# KiCad board rabbit_mask_capacitors.kicad_pcb (continued)
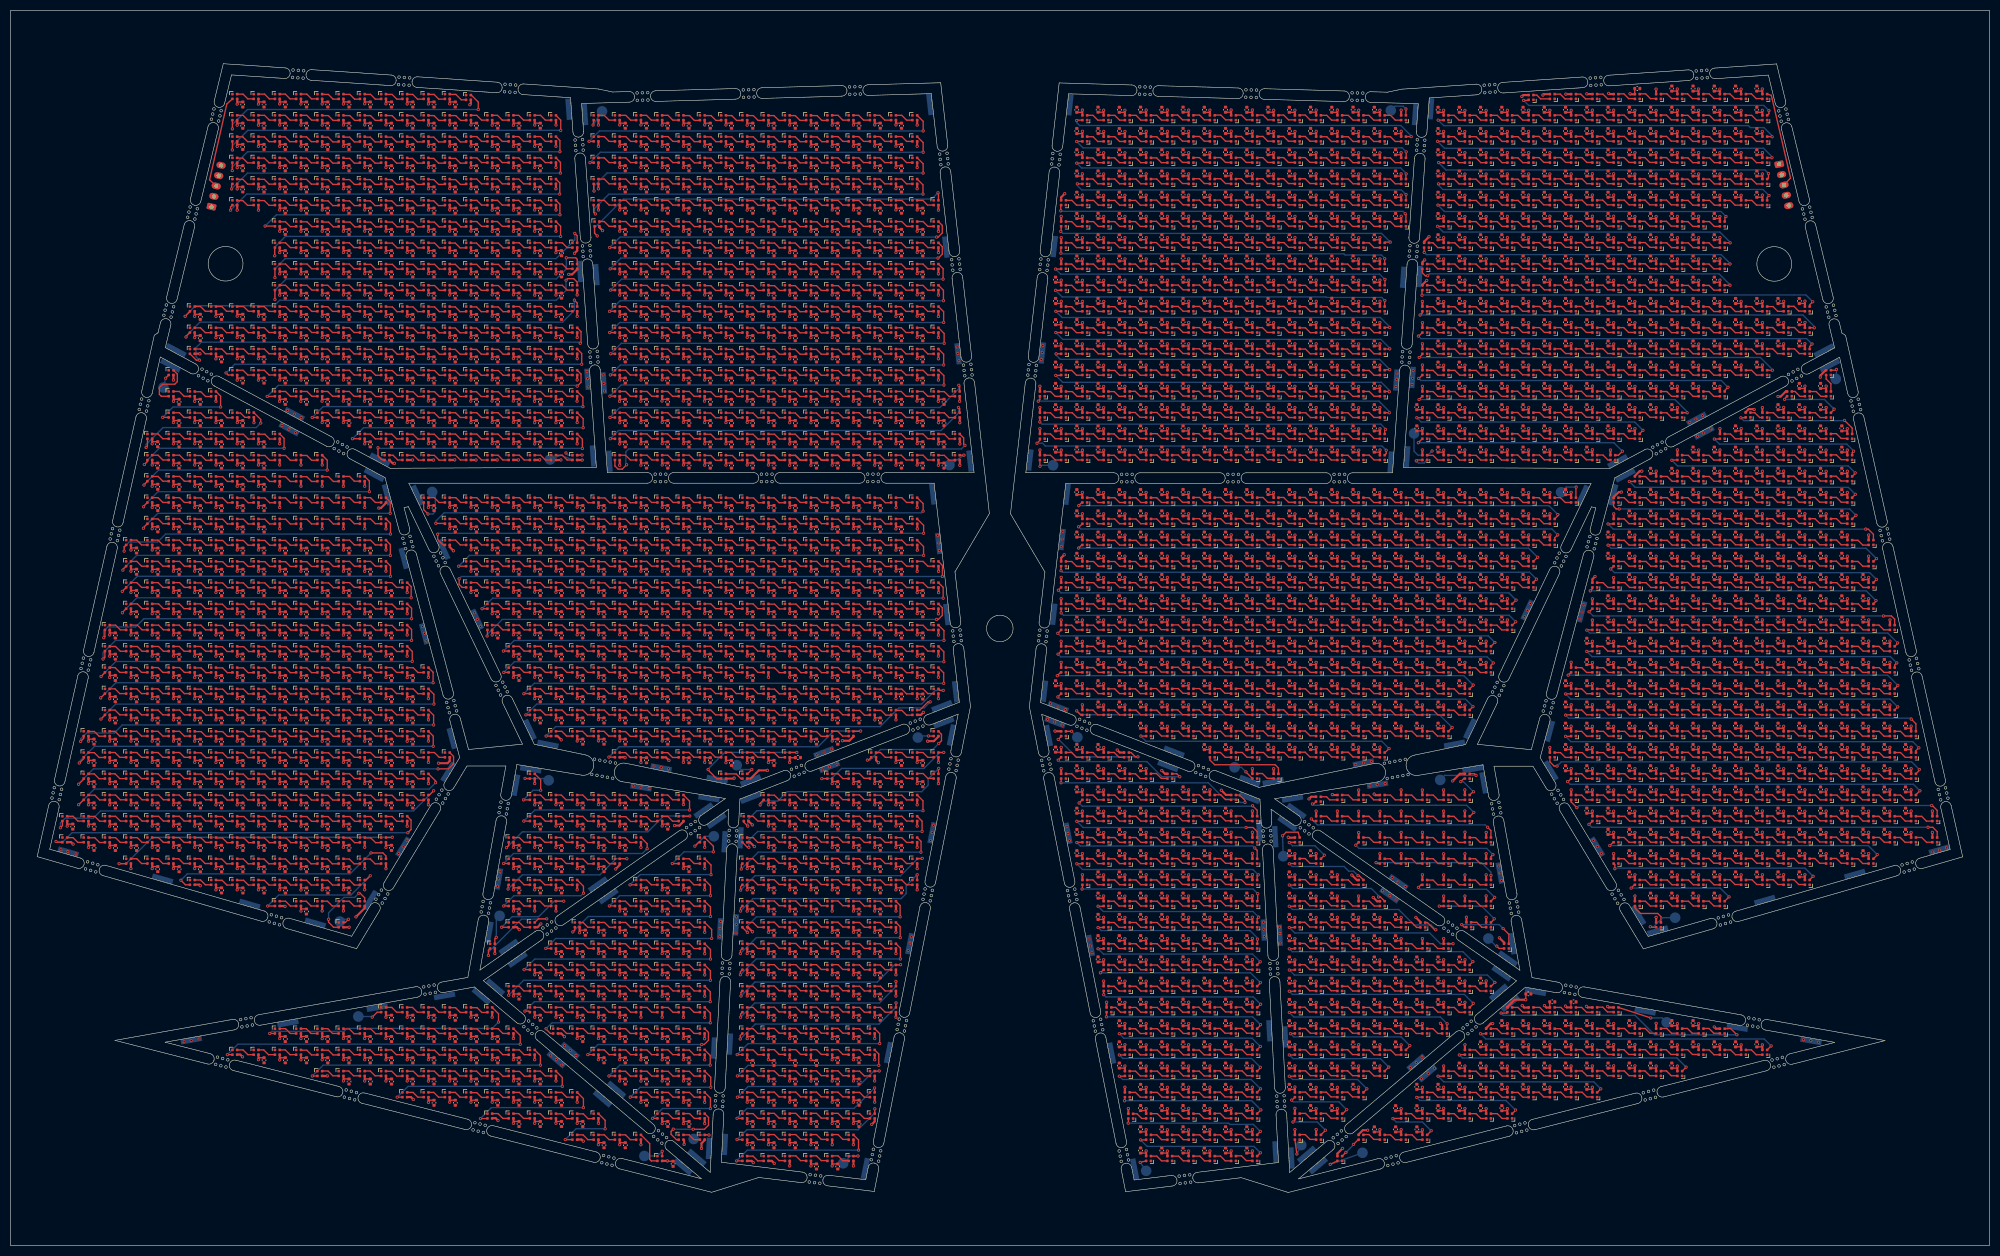
[diagram p0: board, top side]
## Nets (continued)
/1_IN: D1.1 J1485.3
/1_OUT: D1659.3 TP1500.1
/2_IN: D29.1 TP1501.1
/2_OUT: D582.3 TP1502.1
/3_IN: D408.1 TP1504.1
/3_OUT: D1258.3 TP1514.1
/4_IN: D606.1 TP1503.1
/4_OUT: D1074.3 TP1505.1
/5_IN: D1072.1 TP1510.1
/5_OUT: D1276.3 TP1511.1
/6_IN: D1328.1 TP1513.1
/6_OUT: D1478.3 TP1512.1
/7_IN: D1171.1 TP1509.1
/7_OUT: D1471.3 TP1508.1
/8_IN: D1023.1 TP1506.1
/8_OUT: D1484.3 TP1507.1
/right_side/9_IN: D1496.1 J1486.3
/right_side/9_OUT: D1625.3 TP1486.1
/right_side/10_IN: D1512.1 TP1493.1
/right_side/10_OUT: D2031.3 TP1485.1
/right_side/11_IN: D1925.1 TP1494.1
/right_side/11_OUT: D2759.3 TP1492.1
/right_side/12_IN: D2101.1 TP1495.1
/right_side/12_OUT: D2545.3 TP1487.1
/right_side/13_IN: D2547.1 TP1496.1
/right_side/13_OUT: D2776.3 TP1491.1
/right_side/14_IN: D2834.1 TP1499.1
/right_side/14_OUT: D2968.3 TP1490.1
/right_side/15_IN: D2641.1 TP1498.1
/right_side/15_OUT: D2956.3 TP1489.1
/right_side/16_IN: D2475.1 TP1497.1
/right_side/16_OUT: D2962.3 TP1488.1
Net-(D1-DOUT): D1.3 D2.1
Net-(D2-DOUT): D2.3 D3.1
Net-(D3-DOUT): D3.3 D4.1
Net-(D4-DOUT): D4.3 D5.1
Net-(D5-DOUT): D5.3 D6.1
Net-(D6-DOUT): D6.3 D7.1
Net-(D7-DOUT): D7.3 D8.1
Net-(D8-DOUT): D8.3 D9.1
Net-(D10-DIN): D9.3 D10.1
Net-(D10-DOUT): D10.3 D11.1
Net-(D11-DOUT): D11.3 D12.1
Net-(D12-DOUT): D12.3 D13.1
Net-(D13-DOUT): D13.3 D14.1
Net-(D14-DOUT): D14.3 D15.1
Net-(D15-DOUT): D15.3 D16.1
Net-(D16-DOUT): D16.3 D17.1
Net-(D17-DOUT): D17.3 D18.1
Net-(D18-DOUT): D18.3 D19.1
Net-(D19-DOUT): D19.3 D20.1
Net-(D20-DOUT): D20.3 D21.1
Net-(D21-DOUT): D21.3 D22.1
Net-(D22-DOUT): D22.3 D23.1
Net-(D23-DOUT): D23.3 D24.1
Net-(D24-DOUT): D24.3 D25.1
Net-(D25-DOUT): D25.3 D26.1
Net-(D26-DOUT): D26.3 D27.1
Net-(D27-DOUT): D27.3 D28.1
Net-(D28-DOUT): D28.3 D45.1
Net-(D29-DOUT): D29.3 D30.1
Net-(D30-DOUT): D30.3 D31.1
Net-(D31-DOUT): D31.3 D32.1
Net-(D32-DOUT): D32.3 D33.1
Net-(D33-DOUT): D33.3 D34.1
Net-(D34-DOUT): D34.3 D35.1
Net-(D35-DOUT): D35.3 D36.1
Net-(D36-DOUT): D36.3 D37.1
Net-(D37-DOUT): D37.3 D38.1
Net-(D38-DOUT): D38.3 D39.1
Net-(D39-DOUT): D39.3 D40.1
Net-(D40-DOUT): D40.3 D41.1
Net-(D41-DOUT): D41.3 D42.1
Net-(D42-DOUT): D42.3 D43.1
Net-(D43-DOUT): D43.3 D44.1
Net-(D44-DOUT): D44.3 D61.1
Net-(D45-DOUT): D45.3 D46.1
Net-(D46-DOUT): D46.3 D47.1
Net-(D47-DOUT): D47.3 D48.1
Net-(D48-DOUT): D48.3 D49.1
Net-(D49-DOUT): D49.3 D50.1
Net-(D50-DOUT): D50.3 D51.1
Net-(D51-DOUT): D51.3 D52.1
Net-(D52-DOUT): D52.3 D53.1
Net-(D53-DOUT): D53.3 D54.1
Net-(D54-DOUT): D54.3 D55.1
Net-(D55-DOUT): D55.3 D56.1
Net-(D56-DOUT): D56.3 D57.1
Net-(D57-DOUT): D57.3 D58.1
Net-(D58-DOUT): D58.3 D59.1
Net-(D59-DOUT): D59.3 D60.1
Net-(D60-DOUT): D60.3 D77.1
Net-(D61-DOUT): D61.3 D62.1
Net-(D62-DOUT): D62.3 D63.1
Net-(D63-DOUT): D63.3 D64.1
Net-(D64-DOUT): D64.3 D65.1
Net-(D65-DOUT): D65.3 D66.1
Net-(D66-DOUT): D66.3 D67.1
Net-(D67-DOUT): D67.3 D68.1
Net-(D68-DOUT): D68.3 D69.1
Net-(D69-DOUT): D69.3 D70.1
Net-(D70-DOUT): D70.3 D71.1
Net-(D71-DOUT): D71.3 D72.1
Net-(D72-DOUT): D72.3 D73.1
Net-(D73-DOUT): D73.3 D74.1
Net-(D74-DOUT): D74.3 D75.1
Net-(D75-DOUT): D75.3 D76.1
Net-(D76-DOUT): D76.3 D93.1
Net-(D77-DOUT): D77.3 D78.1
Net-(D78-DOUT): D78.3 D79.1
Net-(D79-DOUT): D79.3 D80.1
Net-(D80-DOUT): D80.3 D81.1
Net-(D81-DOUT): D81.3 D82.1
Net-(D82-DOUT): D82.3 D83.1
Net-(D83-DOUT): D83.3 D84.1
Net-(D84-DOUT): D84.3 D85.1
Net-(D85-DOUT): D85.3 D86.1
Net-(D86-DOUT): D86.3 D87.1
Net-(D87-DOUT): D87.3 D88.1
Net-(D88-DOUT): D88.3 D89.1
Net-(D89-DOUT): D89.3 D90.1
Net-(D90-DOUT): D90.3 D91.1
Net-(D91-DOUT): D91.3 D92.1
Net-(D93-DOUT): D93.3 D94.1
Net-(D94-DOUT): D94.3 D95.1
Net-(D95-DOUT): D95.3 D96.1
Net-(D96-DOUT): D96.3 D97.1
Net-(D97-DOUT): D97.3 D98.1
Net-(D98-DOUT): D98.3 D99.1
Net-(D100-DIN): D99.3 D100.1
Net-(D100-DOUT): D100.3 D101.1
Net-(D101-DOUT): D101.3 D102.1
Net-(D102-DOUT): D102.3 D103.1
Net-(D103-DOUT): D103.3 D104.1
Net-(D104-DOUT): D104.3 D105.1
Net-(D105-DOUT): D105.3 D106.1
Net-(D106-DOUT): D106.3 D107.1
Net-(D107-DOUT): D107.3 D108.1
Net-(D108-DOUT): D108.3 D126.1
Net-(D110-DIN): D92.3 D110.1
Net-(D110-DOUT): D110.3 D111.1
Net-(D111-DOUT): D111.3 D112.1
Net-(D112-DOUT): D112.3 D113.1
Net-(D113-DOUT): D113.3 D114.1
Net-(D114-DOUT): D114.3 D115.1
Net-(D115-DOUT): D115.3 D116.1
Net-(D116-DOUT): D116.3 D117.1
Net-(D117-DOUT): D117.3 D118.1
Net-(D118-DOUT): D118.3 D119.1
Net-(D119-DOUT): D119.3 D120.1
Net-(D120-DOUT): D120.3 D121.1
Net-(D121-DOUT): D121.3 D122.1
Net-(D122-DOUT): D122.3 D123.1
Net-(D123-DOUT): D123.3 D124.1
Net-(D124-DOUT): D124.3 D125.1
Net-(D125-DOUT): D125.3 D143.1
Net-(D126-DOUT): D126.3 D127.1
Net-(D127-DOUT): D127.3 D128.1
Net-(D128-DOUT): D128.3 D129.1
Net-(D129-DOUT): D129.3 D130.1
Net-(D130-DOUT): D130.3 D131.1
Net-(D131-DOUT): D131.3 D132.1
Net-(D132-DOUT): D132.3 D133.1
Net-(D133-DOUT): D133.3 D134.1
Net-(D134-DOUT): D134.3 D135.1
Net-(D135-DOUT): D135.3 D136.1
Net-(D136-DOUT): D136.3 D137.1
Net-(D137-DOUT): D137.3 D138.1
Net-(D138-DOUT): D138.3 D139.1
Net-(D139-DOUT): D139.3 D140.1
Net-(D140-DOUT): D140.3 D141.1
Net-(D141-DOUT): D141.3 D159.1
Net-(D143-DOUT): D143.3 D144.1
Net-(D144-DOUT): D144.3 D145.1
Net-(D145-DOUT): D145.3 D146.1
Net-(D146-DOUT): D146.3 D147.1
Net-(D147-DOUT): D147.3 D148.1
Net-(D148-DOUT): D148.3 D149.1
Net-(D149-DOUT): D149.3 D150.1
Net-(D150-DOUT): D150.3 D151.1
Net-(D151-DOUT): D151.3 D152.1
Net-(D152-DOUT): D152.3 D153.1
Net-(D153-DOUT): D153.3 D154.1
Net-(D154-DOUT): D154.3 D155.1
Net-(D155-DOUT): D155.3 D156.1
Net-(D156-DOUT): D156.3 D157.1
Net-(D157-DOUT): D157.3 D158.1
Net-(D158-DOUT): D158.3 D179.1
Net-(D159-DOUT): D159.3 D160.1
Net-(D160-DOUT): D160.3 D161.1
Net-(D161-DOUT): D161.3 D162.1
Net-(D162-DOUT): D162.3 D163.1
Net-(D163-DOUT): D163.3 D164.1
Net-(D164-DOUT): D164.3 D165.1
Net-(D165-DOUT): D165.3 D166.1
Net-(D166-DOUT): D166.3 D167.1
Net-(D167-DOUT): D167.3 D168.1
Net-(D168-DOUT): D168.3 D169.1
Net-(D169-DOUT): D169.3 D170.1
Net-(D170-DOUT): D170.3 D171.1
Net-(D171-DOUT): D171.3 D172.1
Net-(D172-DOUT): D172.3 D173.1
Net-(D173-DOUT): D173.3 D174.1
Net-(D174-DOUT): D174.3 D175.1
Net-(D175-DOUT): D175.3 D193.1
Net-(D179-DOUT): D179.3 D180.1
Net-(D180-DOUT): D180.3 D181.1
Net-(D181-DOUT): D181.3 D182.1
Net-(D182-DOUT): D182.3 D183.1
Net-(D183-DOUT): D183.3 D184.1
Net-(D184-DOUT): D184.3 D185.1
Net-(D185-DOUT): D185.3 D186.1
Net-(D186-DOUT): D186.3 D187.1
Net-(D187-DOUT): D187.3 D188.1
Net-(D188-DOUT): D188.3 D189.1
Net-(D189-DOUT): D189.3 D190.1
Net-(D190-DOUT): D190.3 D191.1
Net-(D191-DOUT): D191.3 D192.1
Net-(D192-DOUT): D192.3 D210.1
Net-(D193-DOUT): D193.3 D194.1
Net-(D194-DOUT): D194.3 D195.1
Net-(D195-DOUT): D195.3 D196.1
Net-(D196-DOUT): D196.3 D197.1
Net-(D197-DOUT): D197.3 D198.1
Net-(D198-DOUT): D198.3 D199.1
Net-(D199-DOUT): D199.3 D200.1
Net-(D200-DOUT): D200.3 D201.1
Net-(D201-DOUT): D201.3 D202.1
Net-(D202-DOUT): D202.3 D203.1
Net-(D203-DOUT): D203.3 D204.1
Net-(D204-DOUT): D204.3 D205.1
Net-(D205-DOUT): D205.3 D206.1
Net-(D206-DOUT): D206.3 D207.1
Net-(D207-DOUT): D207.3 D208.1
Net-(D208-DOUT): D208.3 D209.1
Net-(D209-DOUT): D209.3 D225.1
Net-(D210-DOUT): D210.3 D211.1
Net-(D211-DOUT): D211.3 D212.1
Net-(D212-DOUT): D212.3 D213.1
Net-(D213-DOUT): D213.3 D214.1
Net-(D214-DOUT): D214.3 D215.1
Net-(D215-DOUT): D215.3 D216.1
Net-(D216-DOUT): D216.3 D217.1
Net-(D217-DOUT): D217.3 D218.1
Net-(D218-DOUT): D218.3 D219.1
Net-(D219-DOUT): D219.3 D220.1
Net-(D220-DOUT): D220.3 D221.1
Net-(D221-DOUT): D221.3 D222.1
Net-(D222-DOUT): D222.3 D223.1
Net-(D223-DOUT): D223.3 D224.1
Net-(D224-DOUT): D224.3 D241.1
Net-(D225-DOUT): D225.3 D226.1
Net-(D226-DOUT): D226.3 D227.1
Net-(D227-DOUT): D227.3 D228.1
Net-(D228-DOUT): D228.3 D229.1
Net-(D229-DOUT): D229.3 D230.1
Net-(D230-DOUT): D230.3 D231.1
Net-(D231-DOUT): D231.3 D232.1
Net-(D232-DOUT): D232.3 D233.1
Net-(D233-DOUT): D233.3 D234.1
Net-(D234-DOUT): D234.3 D235.1
Net-(D235-DOUT): D235.3 D236.1
Net-(D236-DOUT): D236.3 D237.1
Net-(D237-DOUT): D237.3 D238.1
Net-(D238-DOUT): D238.3 D239.1
Net-(D239-DOUT): D239.3 D240.1
Net-(D240-DOUT): D240.3 D256.1
Net-(D241-DOUT): D241.3 D242.1
Net-(D242-DOUT): D242.3 D243.1
Net-(D243-DOUT): D243.3 D244.1
Net-(D244-DOUT): D244.3 D245.1
Net-(D245-DOUT): D245.3 D246.1
Net-(D246-DOUT): D246.3 D247.1
Net-(D247-DOUT): D247.3 D248.1
Net-(D248-DOUT): D248.3 D249.1
Net-(D249-DOUT): D249.3 D250.1
Net-(D250-DOUT): D250.3 D251.1
Net-(D251-DOUT): D251.3 D252.1
Net-(D252-DOUT): D252.3 D253.1
Net-(D253-DOUT): D253.3 D254.1
Net-(D254-DOUT): D254.3 D255.1
Net-(D255-DOUT): D255.3 D272.1
Net-(D256-DOUT): D256.3 D257.1
Net-(D257-DOUT): D257.3 D258.1
Net-(D258-DOUT): D258.3 D259.1
Net-(D259-DOUT): D259.3 D260.1
Net-(D260-DOUT): D260.3 D261.1
Net-(D261-DOUT): D261.3 D262.1
Net-(D262-DOUT): D262.3 D263.1
Net-(D263-DOUT): D263.3 D264.1
Net-(D264-DOUT): D264.3 D265.1
Net-(D265-DOUT): D265.3 D266.1
Net-(D266-DOUT): D266.3 D267.1
Net-(D267-DOUT): D267.3 D268.1
Net-(D268-DOUT): D268.3 D269.1
Net-(D269-DOUT): D269.3 D270.1
Net-(D270-DOUT): D270.3 D271.1
Net-(D271-DOUT): D271.3 D287.1
Net-(D272-DOUT): D272.3 D273.1
Net-(D273-DOUT): D273.3 D274.1
Net-(D274-DOUT): D274.3 D275.1
Net-(D275-DOUT): D275.3 D276.1
Net-(D276-DOUT): D276.3 D277.1
Net-(D277-DOUT): D277.3 D278.1
Net-(D278-DOUT): D278.3 D279.1
Net-(D279-DOUT): D279.3 D280.1
Net-(D280-DOUT): D280.3 D281.1
Net-(D281-DOUT): D281.3 D282.1
Net-(D282-DOUT): D282.3 D283.1
Net-(D283-DOUT): D283.3 D284.1
Net-(D284-DOUT): D284.3 D285.1
Net-(D285-DOUT): D285.3 D286.1
Net-(D286-DOUT): D286.3 D303.1
Net-(D287-DOUT): D287.3 D288.1
Net-(D288-DOUT): D288.3 D289.1
Net-(D289-DOUT): D289.3 D290.1
Net-(D290-DOUT): D290.3 D291.1
Net-(D291-DOUT): D291.3 D292.1
Net-(D292-DOUT): D292.3 D293.1
Net-(D293-DOUT): D293.3 D294.1
Net-(D294-DOUT): D294.3 D295.1
Net-(D295-DOUT): D295.3 D296.1
Net-(D296-DOUT): D296.3 D297.1
Net-(D297-DOUT): D297.3 D298.1
Net-(D298-DOUT): D298.3 D299.1
Net-(D299-DOUT): D299.3 D300.1
Net-(D300-DOUT): D300.3 D301.1
Net-(D301-DOUT): D301.3 D302.1
Net-(D302-DOUT): D302.3 D322.1
Net-(D303-DOUT): D303.3 D304.1
Net-(D304-DOUT): D304.3 D305.1
Net-(D305-DOUT): D305.3 D306.1
Net-(D306-DOUT): D306.3 D307.1
Net-(D307-DOUT): D307.3 D308.1
Net-(D308-DOUT): D308.3 D309.1
Net-(D309-DOUT): D309.3 D310.1
Net-(D310-DOUT): D310.3 D311.1
Net-(D311-DOUT): D311.3 D312.1
Net-(D312-DOUT): D312.3 D313.1
Net-(D313-DOUT): D313.3 D314.1
Net-(D314-DOUT): D314.3 D315.1
Net-(D315-DOUT): D315.3 D316.1
Net-(D316-DOUT): D316.3 D317.1
Net-(D317-DOUT): D317.3 D318.1
Net-(D318-DOUT): D318.3 D319.1
Net-(D319-DOUT): D319.3 D320.1
Net-(D320-DOUT): D320.3 D321.1
Net-(D321-DOUT): D321.3 D338.1
Net-(D322-DOUT): D322.3 D323.1
Net-(D323-DOUT): D323.3 D324.1
Net-(D324-DOUT): D324.3 D325.1
Net-(D325-DOUT): D325.3 D326.1
Net-(D326-DOUT): D326.3 D327.1
Net-(D327-DOUT): D327.3 D328.1
Net-(D328-DOUT): D328.3 D329.1
Net-(D329-DOUT): D329.3 D330.1
Net-(D330-DOUT): D330.3 D331.1
Net-(D331-DOUT): D331.3 D332.1
Net-(D332-DOUT): D332.3 D333.1
Net-(D333-DOUT): D333.3 D334.1
Net-(D334-DOUT): D334.3 D335.1
Net-(D335-DOUT): D335.3 D336.1
Net-(D336-DOUT): D336.3 D337.1
Net-(D337-DOUT): D337.3 D357.1
Net-(D338-DOUT): D338.3 D339.1
Net-(D339-DOUT): D339.3 D340.1
Net-(D340-DOUT): D340.3 D341.1
Net-(D341-DOUT): D341.3 D342.1
Net-(D342-DOUT): D342.3 D343.1
Net-(D343-DOUT): D343.3 D344.1
Net-(D344-DOUT): D344.3 D345.1
Net-(D345-DOUT): D345.3 D346.1
Net-(D346-DOUT): D346.3 D347.1
Net-(D347-DOUT): D347.3 D348.1
Net-(D348-DOUT): D348.3 D349.1
Net-(D349-DOUT): D349.3 D350.1
Net-(D350-DOUT): D350.3 D351.1
Net-(D351-DOUT): D351.3 D352.1
Net-(D352-DOUT): D352.3 D353.1
Net-(D353-DOUT): D353.3 D354.1
Net-(D354-DOUT): D354.3 D355.1
Net-(D355-DOUT): D355.3 D356.1
Net-(D356-DOUT): D356.3 D373.1
Net-(D357-DOUT): D357.3 D358.1
Net-(D358-DOUT): D358.3 D359.1
Net-(D359-DOUT): D359.3 D360.1
Net-(D360-DOUT): D360.3 D361.1
Net-(D361-DOUT): D361.3 D362.1
Net-(D362-DOUT): D362.3 D363.1
Net-(D363-DOUT): D363.3 D364.1
Net-(D364-DOUT): D364.3 D365.1
Net-(D365-DOUT): D365.3 D366.1
Net-(D366-DOUT): D366.3 D367.1
Net-(D367-DOUT): D367.3 D368.1
Net-(D368-DOUT): D368.3 D369.1
Net-(D369-DOUT): D369.3 D370.1
Net-(D370-DOUT): D370.3 D371.1
Net-(D371-DOUT): D371.3 D372.1
Net-(D372-DOUT): D372.3 D392.1
Net-(D373-DOUT): D373.3 D374.1
Net-(D374-DOUT): D374.3 D375.1
Net-(D375-DOUT): D375.3 D376.1
Net-(D376-DOUT): D376.3 D377.1
Net-(D377-DOUT): D377.3 D378.1
Net-(D378-DOUT): D378.3 D379.1
Net-(D379-DOUT): D379.3 D380.1
Net-(D380-DOUT): D380.3 D381.1
Net-(D381-DOUT): D381.3 D382.1
Net-(D382-DOUT): D382.3 D383.1
Net-(D383-DOUT): D383.3 D384.1
Net-(D384-DOUT): D384.3 D385.1
Net-(D385-DOUT): D385.3 D386.1
Net-(D386-DOUT): D386.3 D387.1
Net-(D387-DOUT): D387.3 D388.1
Net-(D388-DOUT): D388.3 D389.1
Net-(D389-DOUT): D389.3 D390.1
Net-(D390-DOUT): D390.3 D391.1
Net-(D391-DOUT): D391.3 D409.1
Net-(D392-DOUT): D392.3 D393.1
Net-(D393-DOUT): D393.3 D394.1
Net-(D394-DOUT): D394.3 D395.1
Net-(D395-DOUT): D395.3 D396.1
Net-(D396-DOUT): D396.3 D397.1
Net-(D397-DOUT): D397.3 D398.1
Net-(D398-DOUT): D398.3 D399.1
Net-(D399-DOUT): D399.3 D400.1
Net-(D400-DOUT): D400.3 D401.1
Net-(D401-DOUT): D401.3 D402.1
Net-(D402-DOUT): D402.3 D403.1
Net-(D403-DOUT): D403.3 D404.1
Net-(D404-DOUT): D404.3 D405.1
Net-(D405-DOUT): D405.3 D406.1
Net-(D406-DOUT): D406.3 D407.1
Net-(D407-DOUT): D407.3 D426.1
Net-(D408-DOUT): D408.3 D442.1
Net-(D409-DOUT): D409.3 D410.1
Net-(D410-DOUT): D410.3 D411.1
Net-(D411-DOUT): D411.3 D412.1
Net-(D412-DOUT): D412.3 D413.1
Net-(D413-DOUT): D413.3 D414.1
Net-(D414-DOUT): D414.3 D415.1
Net-(D415-DOUT): D415.3 D416.1
Net-(D416-DOUT): D416.3 D417.1
Net-(D417-DOUT): D417.3 D418.1
Net-(D418-DOUT): D418.3 D419.1
Net-(D419-DOUT): D419.3 D420.1
Net-(D420-DOUT): D420.3 D421.1
Net-(D421-DOUT): D421.3 D422.1
Net-(D422-DOUT): D422.3 D423.1
Net-(D423-DOUT): D423.3 D424.1
Net-(D424-DOUT): D424.3 D425.1
Net-(D425-DOUT): D425.3 D445.1
Net-(D426-DOUT): D426.3 D427.1
Net-(D427-DOUT): D427.3 D428.1
Net-(D428-DOUT): D428.3 D429.1
Net-(D429-DOUT): D429.3 D430.1
Net-(D430-DOUT): D430.3 D431.1
Net-(D431-DOUT): D431.3 D432.1
Net-(D432-DOUT): D432.3 D433.1
Net-(D433-DOUT): D433.3 D434.1
Net-(D434-DOUT): D434.3 D435.1
Net-(D435-DOUT): D435.3 D436.1
Net-(D436-DOUT): D436.3 D437.1
Net-(D437-DOUT): D437.3 D438.1
Net-(D438-DOUT): D438.3 D439.1
Net-(D439-DOUT): D439.3 D440.1
Net-(D440-DOUT): D440.3 D441.1
Net-(D441-DOUT): D441.3 D460.1
Net-(D442-DOUT): D442.3 D443.1
Net-(D443-DOUT): D443.3 D444.1
Net-(D444-DOUT): D444.3 D477.1
Net-(D445-DOUT): D445.3 D446.1
Net-(D446-DOUT): D446.3 D447.1
Net-(D447-DOUT): D447.3 D448.1
Net-(D448-DOUT): D448.3 D449.1
Net-(D449-DOUT): D449.3 D450.1
Net-(D450-DOUT): D450.3 D451.1
Net-(D451-DOUT): D451.3 D452.1
Net-(D452-DOUT): D452.3 D453.1
Net-(D453-DOUT): D453.3 D454.1
Net-(D454-DOUT): D454.3 D455.1
Net-(D455-DOUT): D455.3 D456.1
Net-(D456-DOUT): D456.3 D457.1
Net-(D457-DOUT): D457.3 D458.1
Net-(D458-DOUT): D458.3 D459.1
Net-(D459-DOUT): D459.3 D482.1
Net-(D460-DOUT): D460.3 D461.1
Net-(D461-DOUT): D461.3 D462.1
Net-(D462-DOUT): D462.3 D463.1
Net-(D463-DOUT): D463.3 D464.1
Net-(D464-DOUT): D464.3 D465.1
Net-(D465-DOUT): D465.3 D466.1
Net-(D466-DOUT): D466.3 D467.1
Net-(D467-DOUT): D467.3 D468.1
Net-(D468-DOUT): D468.3 D469.1
Net-(D469-DOUT): D469.3 D470.1
Net-(D470-DOUT): D470.3 D471.1
Net-(D471-DOUT): D471.3 D472.1
Net-(D472-DOUT): D472.3 D473.1
Net-(D473-DOUT): D473.3 D474.1
Net-(D474-DOUT): D474.3 D475.1
Net-(D475-DOUT): D475.3 D476.1
Net-(D476-DOUT): D476.3 D495.1
Net-(D477-DOUT): D477.3 D478.1
Net-(D478-DOUT): D478.3 D479.1
Net-(D479-DOUT): D479.3 D480.1
Net-(D480-DOUT): D480.3 D481.1
Net-(D481-DOUT): D481.3 D512.1
Net-(D482-DOUT): D482.3 D483.1
Net-(D483-DOUT): D483.3 D484.1
Net-(D484-DOUT): D484.3 D485.1
Net-(D485-DOUT): D485.3 D486.1
Net-(D486-DOUT): D486.3 D487.1
Net-(D487-DOUT): D487.3 D488.1
Net-(D488-DOUT): D488.3 D489.1
Net-(D489-DOUT): D489.3 D490.1
Net-(D490-DOUT): D490.3 D491.1
Net-(D491-DOUT): D491.3 D492.1
Net-(D492-DOUT): D492.3 D493.1
Net-(D493-DOUT): D493.3 D494.1
Net-(D494-DOUT): D494.3 D519.1
Net-(D495-DOUT): D495.3 D496.1
Net-(D496-DOUT): D496.3 D497.1
Net-(D497-DOUT): D497.3 D498.1
Net-(D498-DOUT): D498.3 D499.1
Net-(D499-DOUT): D499.3 D500.1
Net-(D500-DOUT): D500.3 D501.1
Net-(D501-DOUT): D501.3 D502.1
Net-(D502-DOUT): D502.3 D503.1
Net-(D503-DOUT): D503.3 D504.1
Net-(D504-DOUT): D504.3 D505.1
Net-(D505-DOUT): D505.3 D506.1
Net-(D506-DOUT): D506.3 D507.1
Net-(D507-DOUT): D507.3 D508.1
Net-(D508-DOUT): D508.3 D509.1
Net-(D509-DOUT): D509.3 D510.1
Net-(D510-DOUT): D510.3 D511.1
Net-(D511-DOUT): D511.3 D530.1
Net-(D512-DOUT): D512.3 D513.1
Net-(D513-DOUT): D513.3 D514.1
Net-(D514-DOUT): D514.3 D515.1
Net-(D515-DOUT): D515.3 D516.1
Net-(D516-DOUT): D516.3 D517.1
Net-(D517-DOUT): D517.3 D518.1
Net-(D518-DOUT): D518.3 D547.1
Net-(D519-DOUT): D519.3 D520.1
Net-(D520-DOUT): D520.3 D521.1
Net-(D521-DOUT): D521.3 D522.1
Net-(D522-DOUT): D522.3 D523.1
Net-(D523-DOUT): D523.3 D524.1
Net-(D524-DOUT): D524.3 D525.1
Net-(D525-DOUT): D525.3 D526.1
Net-(D526-DOUT): D526.3 D527.1
Net-(D527-DOUT): D527.3 D528.1
Net-(D528-DOUT): D528.3 D529.1
Net-(D529-DOUT): D529.3 D556.1
Net-(D530-DOUT): D530.3 D531.1
Net-(D531-DOUT): D531.3 D532.1
Net-(D532-DOUT): D532.3 D533.1
Net-(D533-DOUT): D533.3 D534.1
Net-(D534-DOUT): D534.3 D535.1
Net-(D535-DOUT): D535.3 D536.1
Net-(D536-DOUT): D536.3 D537.1
Net-(D537-DOUT): D537.3 D538.1
Net-(D538-DOUT): D538.3 D539.1
Net-(D539-DOUT): D539.3 D540.1
Net-(D540-DOUT): D540.3 D541.1
Net-(D541-DOUT): D541.3 D542.1
Net-(D542-DOUT): D542.3 D543.1
Net-(D543-DOUT): D543.3 D544.1
Net-(D544-DOUT): D544.3 D545.1
Net-(D545-DOUT): D545.3 D546.1
Net-(D546-DOUT): D546.3 D566.1
Net-(D547-DOUT): D547.3 D548.1
Net-(D548-DOUT): D548.3 D549.1
Net-(D549-DOUT): D549.3 D550.1
Net-(D550-DOUT): D550.3 D551.1
Net-(D551-DOUT): D551.3 D552.1
Net-(D552-DOUT): D552.3 D553.1
Net-(D553-DOUT): D553.3 D554.1
Net-(D554-DOUT): D554.3 D555.1
Net-(D555-DOUT): D555.3 D583.1
Net-(D556-DOUT): D556.3 D557.1
Net-(D557-DOUT): D557.3 D558.1
Net-(D558-DOUT): D558.3 D559.1
Net-(D559-DOUT): D559.3 D560.1
Net-(D560-DOUT): D560.3 D561.1
Net-(D561-DOUT): D561.3 D562.1
Net-(D562-DOUT): D562.3 D563.1
Net-(D563-DOUT): D563.3 D564.1
Net-(D564-DOUT): D564.3 D565.1
Net-(D566-DOUT): D566.3 D567.1
Net-(D567-DOUT): D567.3 D568.1
Net-(D568-DOUT): D568.3 D569.1
Net-(D569-DOUT): D569.3 D570.1
Net-(D570-DOUT): D570.3 D571.1
Net-(D571-DOUT): D571.3 D572.1
Net-(D572-DOUT): D572.3 D573.1
Net-(D573-DOUT): D573.3 D574.1
Net-(D574-DOUT): D574.3 D575.1
Net-(D575-DOUT): D575.3 D576.1
Net-(D576-DOUT): D576.3 D577.1
Net-(D577-DOUT): D577.3 D578.1
Net-(D578-DOUT): D578.3 D579.1
Net-(D579-DOUT): D579.3 D580.1
Net-(D580-DOUT): D580.3 D581.1
Net-(D581-DOUT): D581.3 D582.1
Net-(D583-DOUT): D583.3 D584.1
Net-(D584-DOUT): D584.3 D585.1
Net-(D585-DOUT): D585.3 D586.1
Net-(D586-DOUT): D586.3 D587.1
Net-(D587-DOUT): D587.3 D588.1
Net-(D588-DOUT): D588.3 D589.1
Net-(D589-DOUT): D589.3 D590.1
Net-(D590-DOUT): D590.3 D591.1
Net-(D591-DOUT): D591.3 D592.1
Net-(D592-DOUT): D592.3 D593.1
Net-(D593-DOUT): D593.3 D594.1
Net-(D594-DOUT): D594.3 D595.1
Net-(D595-DOUT): D595.3 D596.1
Net-(D596-DOUT): D596.3 D597.1
Net-(D597-DOUT): D597.3 D598.1
Net-(D598-DOUT): D598.3 D599.1
Net-(D599-DOUT): D599.3 D600.1
Net-(D600-DOUT): D600.3 D601.1
Net-(D601-DOUT): D601.3 D602.1
Net-(D602-DOUT): D602.3 D603.1
Net-(D603-DOUT): D603.3 D604.1
Net-(D604-DOUT): D604.3 D605.1
Net-(D605-DOUT): D605.3 D630.1
Net-(D606-DOUT): D606.3 D607.1
Net-(D607-DOUT): D607.3 D608.1
Net-(D608-DOUT): D608.3 D609.1
Net-(D609-DOUT): D609.3 D610.1
Net-(D610-DOUT): D610.3 D611.1
Net-(D611-DOUT): D611.3 D612.1
Net-(D612-DOUT): D612.3 D613.1
Net-(D613-DOUT): D613.3 D614.1
Net-(D614-DOUT): D614.3 D615.1
Net-(D615-DOUT): D615.3 D616.1
Net-(D616-DOUT): D616.3 D617.1
Net-(D617-DOUT): D617.3 D618.1
Net-(D618-DOUT): D618.3 D619.1
Net-(D619-DOUT): D619.3 D620.1
Net-(D620-DOUT): D620.3 D621.1
Net-(D621-DOUT): D621.3 D622.1
Net-(D622-DOUT): D622.3 D623.1
Net-(D623-DOUT): D623.3 D624.1
Net-(D624-DOUT): D624.3 D625.1
Net-(D625-DOUT): D625.3 D626.1
Net-(D626-DOUT): D626.3 D627.1
Net-(D627-DOUT): D627.3 D628.1
Net-(D628-DOUT): D628.3 D629.1
Net-(D629-DOUT): D629.3 D642.1
Net-(D630-DOUT): D630.3 D631.1
Net-(D631-DOUT): D631.3 D632.1
Net-(D632-DOUT): D632.3 D633.1
Net-(D633-DOUT): D633.3 D634.1
Net-(D634-DOUT): D634.3 D635.1
Net-(D635-DOUT): D635.3 D636.1
Net-(D636-DOUT): D636.3 D637.1
Net-(D637-DOUT): D637.3 D638.1
Net-(D638-DOUT): D638.3 D639.1
Net-(D639-DOUT): D639.3 D640.1
Net-(D640-DOUT): D640.3 D641.1
Net-(D641-DOUT): D641.3 D665.1
Net-(D642-DOUT): D642.3 D643.1
Net-(D643-DOUT): D643.3 D644.1
Net-(D644-DOUT): D644.3 D645.1
Net-(D645-DOUT): D645.3 D646.1
Net-(D646-DOUT): D646.3 D647.1
Net-(D647-DOUT): D647.3 D648.1
Net-(D648-DOUT): D648.3 D649.1
Net-(D649-DOUT): D649.3 D650.1
Net-(D650-DOUT): D650.3 D651.1
Net-(D651-DOUT): D651.3 D652.1
Net-(D652-DOUT): D652.3 D653.1
Net-(D653-DOUT): D653.3 D654.1
Net-(D654-DOUT): D654.3 D655.1
Net-(D655-DOUT): D655.3 D656.1
Net-(D656-DOUT): D656.3 D657.1
Net-(D657-DOUT): D657.3 D658.1
Net-(D658-DOUT): D658.3 D659.1
Net-(D659-DOUT): D659.3 D660.1
Net-(D660-DOUT): D660.3 D661.1
Net-(D661-DOUT): D661.3 D662.1
Net-(D662-DOUT): D662.3 D663.1
Net-(D663-DOUT): D663.3 D664.1
Net-(D664-DOUT): D664.3 D678.1
Net-(D665-DOUT): D665.3 D666.1
Net-(D666-DOUT): D666.3 D667.1
Net-(D667-DOUT): D667.3 D668.1
Net-(D668-DOUT): D668.3 D669.1
Net-(D669-DOUT): D669.3 D670.1
Net-(D670-DOUT): D670.3 D671.1
Net-(D671-DOUT): D671.3 D672.1
Net-(D672-DOUT): D672.3 D673.1
Net-(D673-DOUT): D673.3 D674.1
Net-(D674-DOUT): D674.3 D675.1
Net-(D675-DOUT): D675.3 D676.1
Net-(D676-DOUT): D676.3 D677.1
Net-(D677-DOUT): D677.3 D701.1
Net-(D678-DOUT): D678.3 D679.1
Net-(D679-DOUT): D679.3 D680.1
Net-(D680-DOUT): D680.3 D681.1
Net-(D681-DOUT): D681.3 D682.1
Net-(D682-DOUT): D682.3 D683.1
Net-(D683-DOUT): D683.3 D684.1
Net-(D684-DOUT): D684.3 D685.1
Net-(D685-DOUT): D685.3 D686.1
Net-(D686-DOUT): D686.3 D687.1
Net-(D687-DOUT): D687.3 D688.1
Net-(D688-DOUT): D688.3 D689.1
Net-(D689-DOUT): D689.3 D690.1
Net-(D690-DOUT): D690.3 D691.1
Net-(D691-DOUT): D691.3 D692.1
Net-(D692-DOUT): D692.3 D693.1
Net-(D693-DOUT): D693.3 D694.1
Net-(D694-DOUT): D694.3 D695.1
Net-(D695-DOUT): D695.3 D696.1
Net-(D696-DOUT): D696.3 D697.1
Net-(D697-DOUT): D697.3 D698.1
Net-(D698-DOUT): D698.3 D699.1
Net-(D699-DOUT): D699.3 D700.1
Net-(D700-DOUT): D700.3 D714.1
Net-(D701-DOUT): D701.3 D702.1
Net-(D702-DOUT): D702.3 D703.1
Net-(D703-DOUT): D703.3 D704.1
Net-(D704-DOUT): D704.3 D705.1
Net-(D705-DOUT): D705.3 D706.1
Net-(D706-DOUT): D706.3 D707.1
Net-(D707-DOUT): D707.3 D708.1
Net-(D708-DOUT): D708.3 D709.1
Net-(D709-DOUT): D709.3 D710.1
Net-(D710-DOUT): D710.3 D711.1
Net-(D711-DOUT): D711.3 D712.1
Net-(D712-DOUT): D712.3 D713.1
Net-(D713-DOUT): D713.3 D737.1
Net-(D714-DOUT): D714.3 D715.1
Net-(D715-DOUT): D715.3 D716.1
Net-(D716-DOUT): D716.3 D717.1
Net-(D717-DOUT): D717.3 D718.1
Net-(D718-DOUT): D718.3 D719.1
Net-(D719-DOUT): D719.3 D720.1
Net-(D720-DOUT): D720.3 D721.1
Net-(D721-DOUT): D721.3 D722.1
Net-(D722-DOUT): D722.3 D723.1
Net-(D723-DOUT): D723.3 D724.1
Net-(D724-DOUT): D724.3 D725.1
Net-(D725-DOUT): D725.3 D726.1
Net-(D726-DOUT): D726.3 D727.1
Net-(D727-DOUT): D727.3 D728.1
Net-(D728-DOUT): D728.3 D729.1
Net-(D729-DOUT): D729.3 D730.1
Net-(D730-DOUT): D730.3 D731.1
Net-(D731-DOUT): D731.3 D732.1
Net-(D732-DOUT): D732.3 D733.1
Net-(D733-DOUT): D733.3 D734.1
Net-(D734-DOUT): D734.3 D735.1
Net-(D735-DOUT): D735.3 D736.1
Net-(D736-DOUT): D736.3 D751.1
Net-(D737-DOUT): D737.3 D738.1
Net-(D738-DOUT): D738.3 D739.1
Net-(D739-DOUT): D739.3 D740.1
Net-(D740-DOUT): D740.3 D741.1
Net-(D741-DOUT): D741.3 D742.1
Net-(D742-DOUT): D742.3 D743.1
Net-(D743-DOUT): D743.3 D744.1
Net-(D744-DOUT): D744.3 D745.1
Net-(D745-DOUT): D745.3 D746.1
Net-(D746-DOUT): D746.3 D747.1
Net-(D747-DOUT): D747.3 D748.1
Net-(D748-DOUT): D748.3 D749.1
Net-(D749-DOUT): D749.3 D750.1
Net-(D750-DOUT): D750.3 D774.1
Net-(D751-DOUT): D751.3 D752.1
Net-(D752-DOUT): D752.3 D753.1
Net-(D753-DOUT): D753.3 D754.1
Net-(D754-DOUT): D754.3 D755.1
Net-(D755-DOUT): D755.3 D756.1
Net-(D756-DOUT): D756.3 D757.1
Net-(D757-DOUT): D757.3 D758.1
Net-(D758-DOUT): D758.3 D759.1
Net-(D759-DOUT): D759.3 D760.1
Net-(D760-DOUT): D760.3 D761.1
Net-(D761-DOUT): D761.3 D762.1
Net-(D762-DOUT): D762.3 D763.1
Net-(D763-DOUT): D763.3 D764.1
Net-(D764-DOUT): D764.3 D765.1
Net-(D765-DOUT): D765.3 D766.1
Net-(D766-DOUT): D766.3 D767.1
Net-(D767-DOUT): D767.3 D768.1
Net-(D768-DOUT): D768.3 D769.1
Net-(D769-DOUT): D769.3 D770.1
Net-(D770-DOUT): D770.3 D771.1
Net-(D771-DOUT): D771.3 D772.1
Net-(D772-DOUT): D772.3 D773.1
Net-(D773-DOUT): D773.3 D788.1
Net-(D774-DOUT): D774.3 D775.1
Net-(D775-DOUT): D775.3 D776.1
Net-(D776-DOUT): D776.3 D777.1
Net-(D777-DOUT): D777.3 D778.1
Net-(D778-DOUT): D778.3 D779.1
Net-(D779-DOUT): D779.3 D780.1
Net-(D780-DOUT): D780.3 D781.1
Net-(D781-DOUT): D781.3 D782.1
Net-(D782-DOUT): D782.3 D783.1
Net-(D783-DOUT): D783.3 D784.1
Net-(D784-DOUT): D784.3 D785.1
Net-(D785-DOUT): D785.3 D786.1
Net-(D786-DOUT): D786.3 D787.1
Net-(D787-DOUT): D787.3 D810.1
Net-(D788-DOUT): D788.3 D789.1
Net-(D789-DOUT): D789.3 D790.1
Net-(D790-DOUT): D790.3 D791.1